# KiCad board RadCheck-SDRAM.kicad_pcb (continued)
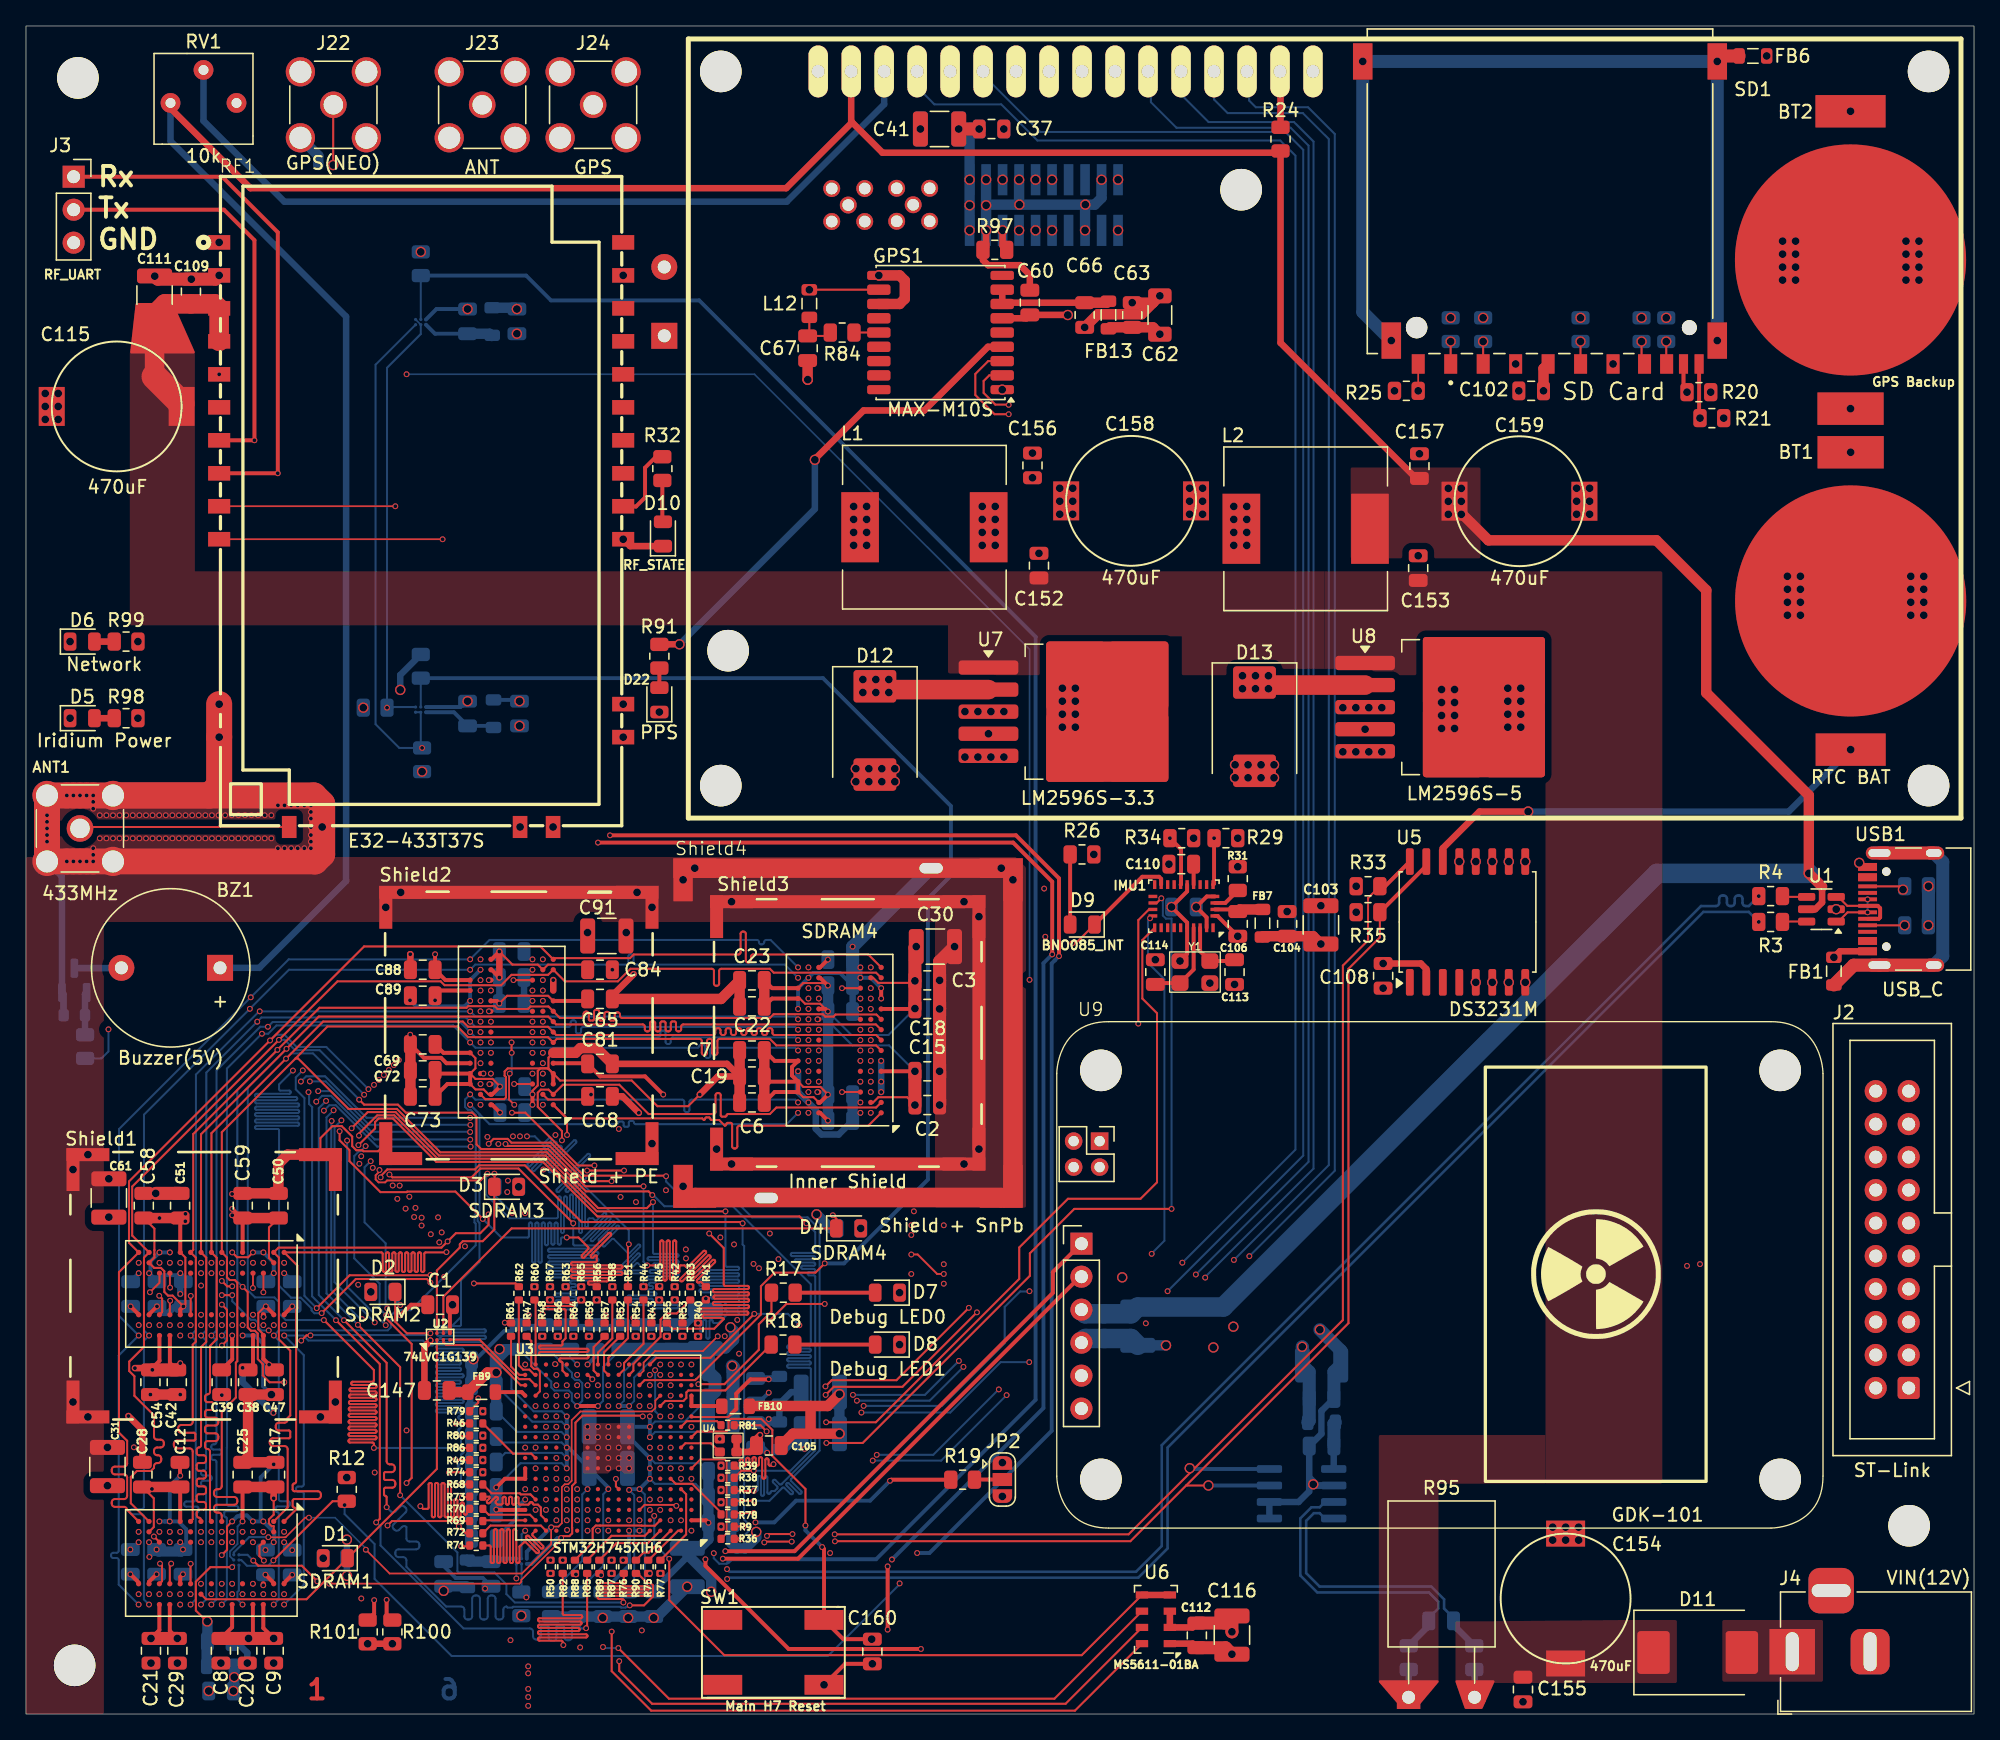
[diagram p0: board, top side]
## Routing (per net, layer and track width the routed paths; a pad name or vN(x,y) marks a point on that pad's centre or on a via; arc(x,y) is an arc through that point) (continued)
  In1.Cu w0.129: 11.5,22.39 11.5,20.34 arc(11.45,20.21) 11.33,20.16 arc(11.2,20.11) 11.15,19.99 11.15,19.74 arc(11.2,19.61) 11.33,19.56 11.6,19.56 arc(11.67,19.53) 11.7,19.46 11.7,19.06 arc(11.67,18.99) 11.6,18.96 11.29,18.96 arc(11.13,18.9) 11.07,18.75 11.07,18.55 arc(11.13,18.4) 11.29,18.34 arc(11.44,18.27) 11.5,18.12 11.5,18 arc(11.57,17.83) 11.74,17.76 12.37,17.76 arc(12.54,17.69) 12.61,17.52 12.61,17.4 arc(12.54,17.23) 12.37,17.16 11.37,17.16 arc(11.28,17.12) 11.24,17.03 11.24,16.69 arc(11.28,16.6) 11.37,16.56 12.37,16.56 arc(12.54,16.49) 12.61,16.32 12.61,16.2 arc(12.54,16.03) 12.37,15.96 11.39,15.96 arc(11.31,15.93) 11.28,15.85 11.28,15.35 arc(11.31,15.27) 11.39,15.23 arc(11.47,15.2) 11.5,15.12 ; 49.05,54.68 52.59,54.68 arc(52.7,54.63) 52.75,54.52 52.75,53.75 arc(52.79,53.64) 52.91,53.59 52.99,53.59 arc(53.1,53.64) 53.15,53.75 53.15,54.82 arc(53.19,54.92) 53.29,54.96 53.4,54.96 arc(53.5,54.92) 53.55,54.82 53.55,53.75 arc(53.59,53.64) 53.71,53.59 53.79,53.59 arc(53.9,53.64) 53.95,53.75 53.95,54.52 arc(53.99,54.63) 54.11,54.68
  In3.Cu w0.142: v1(52.61,37.01) 52.61,37.55 44.47,45.69 34.51,45.69 34.36,45.53 34.36,45.51 v1(34.22,45.37)
  Bottom w0.157: v1(21.86,48.72) 23.08,48.72 26.42,45.38 34.21,45.38 v1(34.22,45.37)
SDRAM_D9: length 180.3
  Top w0.142: v1(11.1,32.84) 11.08,32.86 SDRAM2.M3
  Top w0.157: v1(35.17,38.13) 33.07,40.23 29.36,40.23 29.32,40.19 27.3,40.19 24.91,42.58 24.91,43.43 24.15,44.18 v1(24.15,44.88) ; 43.85,33.07 43.37,33.07 arc(43.3,33.1) 43.27,33.17 43.27,33.22 arc(43.3,33.29) 43.37,33.32 44.73,33.32 arc(44.8,33.35) 44.83,33.42 44.83,33.47 arc(44.8,33.54) 44.73,33.57 42.07,33.57 arc(42,33.6) 41.97,33.66 41.97,33.71 arc(42,33.78) 42.07,33.81 45.83,33.81 arc(45.9,33.84) 45.93,33.91 45.93,33.96 arc(45.9,34.03) 45.83,34.06 42.07,34.06 arc(42,34.09) 41.97,34.16 41.97,34.21 arc(42,34.28) 42.07,34.31 45.83,34.31 arc(45.9,34.33) 45.93,34.4 45.93,34.45 arc(45.9,34.52) 45.83,34.55 42.07,34.55 arc(42,34.58) 41.97,34.65 41.97,34.7 arc(42,34.77) 42.07,34.8 43.85,34.8 arc(43.92,34.83) 43.95,34.9 43.95,35.29 arc(43.88,35.32) 43.81,35.29 43.68,35.16 arc(43.61,35.13) 43.54,35.16 43.51,35.2 arc(43.48,35.27) 43.51,35.34 45.03,36.86 arc(45.06,36.93) 45.03,37 45,37.04 arc(44.93,37.06) 44.86,37.04 42.98,35.16 arc(42.91,35.13) 42.84,35.16 42.81,35.19 arc(42.78,35.26) 42.81,35.33 43.29,35.81 arc(43.32,35.88) 43.29,35.95 42.54,36.7 v1(41.64,36.7)
  In2.Cu w0.09: 10.71,19.82 10.71,16.36 arc(10.76,16.25) 10.87,16.2 11.96,16.2 arc(12.08,16.15) 12.12,16.04 12.12,15.96 arc(12.08,15.85) 11.96,15.8 9.46,15.8 arc(9.35,15.75) 9.3,15.64 9.3,15.56 arc(9.35,15.45) 9.46,15.4 10.55,15.4 arc(10.67,15.35) 10.71,15.24
  In2.Cu w0.127: v1(11.07,13.23) 10.68,13.63 10.68,15.21 10.71,15.24 ; 53.09,55.48 63.87,55.48 v1(64.25,55.1) ; 47.16,55.48 40.9,55.48 40.76,55.34 39.38,55.34 v1(39,55.72) 37.98,55.72 37.6,56.1 34.84,56.1 33.82,55.08 33.82,54.72 34.05,54.49 33.83,54.27 33.7,54.27 24.76,45.33 24.75,45.33 24.53,45.11 24.53,45.1 24.31,44.88 v1(24.15,44.88) 15.63,36.36 15.05,36.36 13.73,35.04 13.64,35.13 13.32,35.13 12.88,34.68 12.88,33.25 11.5,33.25 v1(11.1,32.84) 10.67,32.42 10.67,19.86 10.71,19.82
  In2.Cu w0.129: 53.09,55.48 51.68,55.48 arc(51.57,55.53) 51.52,55.64 51.52,55.78 arc(51.48,55.9) 51.36,55.94 51.28,55.94 arc(51.17,55.9) 51.12,55.78 51.12,55.36 arc(51.09,55.27) 51,55.23 50.85,55.23 arc(50.76,55.27) 50.72,55.36 50.72,55.78 arc(50.68,55.9) 50.56,55.94 50.48,55.94 arc(50.37,55.9) 50.32,55.78 50.32,55.64 arc(50.28,55.53) 50.16,55.48 48.28,55.48 arc(48.17,55.43) 48.12,55.32 48.12,54.1 arc(48.08,53.98) 47.96,53.94 47.88,53.94 arc(47.77,53.98) 47.72,54.1 47.72,54.2 arc(47.68,54.31) 47.56,54.36 45.97,54.36 arc(45.86,54.41) 45.81,54.52 45.81,54.6 arc(45.86,54.71) 45.97,54.76 49.48,54.76 arc(49.59,54.81) 49.64,54.92 49.64,55 arc(49.59,55.11) 49.48,55.16 47.88,55.16 arc(47.77,55.21) 47.72,55.32 47.72,55.58 arc(47.69,55.65) 47.62,55.68 47.36,55.68 arc(47.29,55.65) 47.26,55.58 arc(47.23,55.51) 47.16,55.48
  Bottom w0.157: v1(35.17,38.13) 36.6,36.7 38.63,36.7 arc(38.7,36.73) 38.73,36.8 38.73,37.75 arc(38.76,37.82) 38.82,37.85 38.87,37.85 arc(38.94,37.82) 38.97,37.75 38.97,34.85 arc(39,34.78) 39.07,34.75 39.12,34.75 arc(39.19,34.78) 39.22,34.85 39.22,37.75 arc(39.25,37.82) 39.32,37.85 39.37,37.85 arc(39.44,37.82) 39.47,37.75 39.47,34.85 arc(39.49,34.78) 39.56,34.75 39.61,34.75 arc(39.68,34.78) 39.71,34.85 39.71,37.75 arc(39.74,37.82) 39.81,37.85 39.86,37.85 arc(39.93,37.82) 39.96,37.75 39.96,36.2 arc(39.99,36.13) 40.06,36.1 40.11,36.1 arc(40.18,36.13) 40.21,36.2 40.21,37.75 arc(40.23,37.82) 40.3,37.85 40.35,37.85 arc(40.42,37.82) 40.45,37.75 40.45,36.25 arc(40.48,36.18) 40.55,36.15 40.6,36.15 arc(40.67,36.18) 40.7,36.25 40.7,37.75 arc(40.73,37.82) 40.8,37.85 40.85,37.85 arc(40.92,37.82) 40.94,37.75 40.94,36.25 arc(40.97,36.18) 41.04,36.15 41.09,36.15 arc(41.16,36.18) 41.19,36.25 41.19,36.6 arc(41.22,36.67) 41.29,36.7 v1(41.64,36.7)
SDRAM_D10: length 172.9
  Top w0.157: v1(44.64,30.7) 44.64,30.2
  In1.Cu w0.127: v1(65.05,55.1) 64.67,55.48 49.99,55.48 ; 10.69,26.41 10.69,34.36 v1(11.08,34.75) 11.08,35.17 11.24,35.17 11.46,35.39 11.46,39 v1(21.17,48.71) 28.56,56.1 39.42,56.1 v1(39.8,55.72) 40.18,55.34 40.76,55.34 40.9,55.48 43.93,55.48 ; v1(11.07,14.03) 10.69,14.41 10.69,19.6
  In1.Cu w0.129: 10.69,26.41 10.69,21.88 arc(10.62,21.71) 10.45,21.64 9.83,21.64 arc(9.66,21.57) 9.59,21.4 9.59,21.28 arc(9.66,21.11) 9.83,21.04 10.96,21.04 arc(11.13,20.97) 11.2,20.8 11.2,20.68 arc(11.13,20.51) 10.96,20.44 9.83,20.44 arc(9.66,20.37) 9.59,20.2 9.59,20.08 arc(9.66,19.91) 9.83,19.84 10.45,19.84 arc(10.62,19.77) 10.69,19.6 ; 43.93,55.48 47.67,55.48 arc(47.78,55.43) 47.83,55.32 47.83,55.15 arc(47.88,55.04) 47.99,54.99 48.07,54.99 arc(48.18,55.04) 48.23,55.15 48.23,55.86 arc(48.28,55.97) 48.39,56.02 48.47,56.02 arc(48.58,55.97) 48.63,55.86 48.63,55.15 arc(48.68,55.04) 48.79,54.99 48.87,54.99 arc(48.98,55.04) 49.03,55.15 49.03,55.86 arc(49.08,55.97) 49.19,56.02 49.27,56.02 arc(49.38,55.97) 49.43,55.86 49.43,55.15 arc(49.48,55.04) 49.59,54.99 49.67,54.99 arc(49.78,55.04) 49.83,55.15 49.83,55.32 arc(49.88,55.43) 49.99,55.48
  In3.Cu w0.142: v1(34.2,45.92) 44.37,45.92 arc(44.43,45.95) 44.46,46.01 44.46,47.4 arc(44.49,47.46) 44.56,47.49 44.6,47.49 arc(44.67,47.46) 44.69,47.4 44.69,46.01 arc(44.72,45.95) 44.79,45.92 45.12,45.58 arc(45.19,45.56) 45.25,45.58 46.23,46.56 arc(46.3,46.59) 46.36,46.56 46.4,46.53 arc(46.42,46.46) 46.4,46.4 45.42,45.42 arc(45.39,45.35) 45.42,45.29 v1(45.65,45.06)
  In4.Cu w0.129: v1(45.65,45.06) 45.42,44.82 arc(45.36,44.8) 45.3,44.82 44.47,45.65 arc(44.4,45.68) 44.34,45.65 44.31,45.62 arc(44.29,45.56) 44.31,45.5 45.85,43.96 arc(45.87,43.9) 45.85,43.84 45.82,43.81 arc(45.76,43.78) 45.69,43.81 43.84,45.66 arc(43.78,45.69) 43.71,45.66 43.68,45.63 arc(43.66,45.57) 43.68,45.51 44.83,44.36 arc(44.86,44.3) 44.83,44.23 44.64,44.04 44.64,43.76 arc(44.62,43.69) 44.55,43.67 42.73,43.67 arc(42.67,43.64) 42.64,43.58 42.64,43.54 arc(42.67,43.47) 42.73,43.45 46.55,43.45 arc(46.62,43.42) 46.64,43.36 46.64,43.32 arc(46.62,43.26) 46.55,43.23 42.73,43.23 arc(42.67,43.2) 42.64,43.14 42.64,43.1 arc(42.67,43.04) 42.73,43.01 46.55,43.01 arc(46.62,42.98) 46.64,42.92 46.64,42.88 arc(46.62,42.82) 46.55,42.79 44.03,42.79 arc(43.97,42.77) 43.94,42.7 43.94,42.66 arc(43.97,42.6) 44.03,42.57 46.55,42.57 arc(46.62,42.55) 46.64,42.48 46.64,42.44 arc(46.62,42.38) 46.55,42.35 44.28,42.35 arc(44.22,42.33) 44.19,42.26 44.19,42.22 arc(44.22,42.16) 44.28,42.13 44.55,42.13 arc(44.62,42.11) 44.64,42.05 v1(44.64,30.7)
  Bottom w0.157: v1(34.2,45.92) 26.22,45.92 23.03,49.11 21.57,49.11 v1(21.17,48.71)
SDRAM_D11: length 175.5
  Top w0.157: SDRAM1.P1 8.07,16.23 8.07,18.25 8.54,18.72 9.62,18.72 9.86,18.96 9.86,19.09 arc(9.93,19.26) 10.1,19.33 10.17,19.33 arc(10.34,19.4) 10.41,19.57 10.41,19.69 arc(10.34,19.86) 10.17,19.93 10.1,19.93 arc(9.93,20) 9.86,20.17 9.86,20.29 arc(9.93,20.46) 10.1,20.53 10.37,20.53 arc(10.54,20.6) 10.61,20.77 10.61,20.89 arc(10.54,21.06) 10.37,21.13 10.1,21.13 arc(9.93,21.2) 9.86,21.37 9.86,23 8.35,24.51 8.35,26.01 7.95,26.41 7.95,27.14 9.09,28.28 9.09,35.16 SDRAM2.P1 8.18,36.85 8.18,40.62 v1(19.48,51.92) 23.99,56.43 31.93,56.43 32.23,56.13 36.59,56.13 37.39,56.93 40.21,56.93 SDRAM3.P1 41.49,56.43 45.58,56.43 46.55,57.39 52.81,57.39 arc(52.93,57.35) 52.97,57.23 52.97,56.25 arc(53.02,56.13) 53.13,56.09 53.21,56.09 arc(53.33,56.13) 53.37,56.25 53.37,57.23 arc(53.42,57.35) 53.53,57.39 57.28,57.39 57.58,57.09 65.46,57.09 SDRAM4.P1 ; v1(36.92,43.9) 37.07,43.75 40.31,43.75 43.03,41.04 v1(45.09,41.04)
  In1.Cu w0.127: v1(36.92,43.9) 36.71,43.69 arc(36.69,43.63) 36.71,43.57 37.44,42.84 arc(37.47,42.78) 37.44,42.72 37.41,42.69 arc(37.35,42.66) 37.29,42.69 36.56,43.41 arc(36.5,43.44) 36.44,43.41 36.41,43.38 arc(36.38,43.32) 36.41,43.26 37.13,42.54 arc(37.16,42.47) 37.13,42.41 37.1,42.38 arc(37.04,42.36) 36.98,42.38 36.26,43.11 arc(36.19,43.13) 36.13,43.11 35.9,42.88 35.64,42.88 arc(35.58,42.85) 35.55,42.79 35.55,42.12 arc(35.53,42.06) 35.46,42.03 35.42,42.03 arc(35.36,42.06) 35.33,42.12 35.33,42.79 arc(35.31,42.85) 35.25,42.88 35.2,42.88 arc(35.14,42.85) 35.12,42.79 35.12,40.97 arc(35.09,40.91) 35.03,40.88 34.99,40.88 arc(34.93,40.91) 34.9,40.97 34.9,42.79 arc(34.88,42.85) 34.82,42.88 34.77,42.88 arc(34.71,42.85) 34.69,42.79 34.69,40.97 arc(34.66,40.91) 34.6,40.88 34.56,40.88 arc(34.49,40.91) 34.47,40.97 34.47,42.79 arc(34.44,42.85) 34.38,42.88 34.34,42.88 arc(34.28,42.85) 34.25,42.79 34.25,40.97 arc(34.23,40.91) 34.17,40.88 34.12,40.88 arc(34.06,40.91) 34.04,40.97 34.04,42.79 arc(34.01,42.85) 33.95,42.88 33.65,42.88 arc(33.59,42.85) 33.57,42.79 33.57,41.25 arc(33.54,41.19) 33.48,41.16 33.44,41.16 arc(33.37,41.19) 33.35,41.25 33.35,42.79 arc(33.32,42.85) 33.26,42.88 33.22,42.88 arc(33.16,42.85) 33.13,42.79 33.13,41.25 arc(33.11,41.19) 33.05,41.16 33,41.16 arc(32.94,41.19) 32.92,41.25 32.92,42.79 arc(32.89,42.85) 32.83,42.88 32.79,42.88 arc(32.72,42.85) 32.7,42.79 32.7,41.25 arc(32.67,41.19) 32.61,41.16 32.57,41.16 arc(32.51,41.19) 32.48,41.25 32.48,42.79 arc(32.46,42.85) 32.4,42.88 32.35,42.88 arc(32.29,42.85) 32.27,42.79 32.27,41.25 arc(32.24,41.19) 32.18,41.16 32.14,41.16 arc(32.07,41.19) 32.05,41.25 32.05,42.79 arc(32.02,42.85) 31.96,42.88 30.85,42.88 v1(26.04,47.69)
  In4.Cu w0.129: v1(45.09,41.04) 45.09,40.58 arc(45.12,40.52) 45.18,40.49 45.38,40.49 arc(45.44,40.46) 45.46,40.4 45.46,40.36 arc(45.44,40.3) 45.38,40.27 44.98,40.27 arc(44.92,40.24) 44.89,40.18 44.89,40.14 arc(44.92,40.08) 44.98,40.05 45.24,40.05 arc(45.3,40.03) 45.33,39.96 45.33,39.92 arc(45.3,39.86) 45.24,39.83 44.98,39.83 arc(44.92,39.81) 44.89,39.74 44.89,39.7 arc(44.92,39.64) 44.98,39.61 45.35,39.61 arc(45.42,39.59) 45.44,39.52 45.44,39.48 arc(45.42,39.42) 45.35,39.39 44.98,39.39 arc(44.92,39.37) 44.89,39.31 44.89,39.26 arc(44.92,39.2) 44.98,39.17 45,39.17 arc(45.06,39.15) 45.09,39.09 45.09,39.04 arc(45.06,38.98) 45,38.95 44.98,38.95 arc(44.92,38.93) 44.89,38.87 44.89,38.82 arc(44.92,38.76) 44.98,38.73 45,38.73 arc(45.06,38.71) 45.09,38.65 45.09,38.6 arc(45.06,38.54) 45,38.52 44.98,38.52 arc(44.92,38.49) 44.89,38.43 44.89,38.38 arc(44.92,38.32) 44.98,38.3 45,38.3 arc(45.06,38.27) 45.09,38.21 45.09,38.16 arc(45.06,38.1) 45,38.08 44.98,38.08 arc(44.92,38.05) 44.89,37.99 44.89,37.95 arc(44.92,37.88) 44.98,37.86 45,37.86 arc(45.06,37.83) 45.09,37.77 45.09,37.73 arc(45.06,37.66) 45,37.64 44.98,37.64 arc(44.92,37.61) 44.89,37.55 44.89,37.51 arc(44.92,37.44) 44.98,37.42 45,37.42 arc(45.06,37.39) 45.09,37.33 45.09,37.29 arc(45.06,37.23) 45,37.2 44.98,37.2 arc(44.92,37.17) 44.89,37.11 44.89,37.07 arc(44.92,37.01) 44.98,36.98 45,36.98 arc(45.06,36.95) 45.09,36.89 45.09,36.85 arc(45.06,36.79) 45,36.76 44.98,36.76 arc(44.92,36.74) 44.89,36.67 44.89,36.63 arc(44.92,36.57) 44.98,36.54 45,36.54 arc(45.06,36.52) 45.09,36.45 45.09,36.41 arc(45.06,36.35) 45,36.32 44.98,36.32 arc(44.92,36.3) 44.89,36.23 44.89,36.19 arc(44.92,36.13) 44.98,36.1 45,36.1 arc(45.06,36.08) 45.09,36.02 45.09,35.97 arc(45.06,35.91) 45,35.88 44.98,35.88 arc(44.92,35.86) 44.89,35.8 44.89,35.75 arc(44.92,35.69) 44.98,35.66 45,35.66 arc(45.06,35.64) 45.09,35.58 45.09,35.53 arc(45.06,35.47) 45,35.45 44.98,35.45 arc(44.92,35.42) 44.89,35.36 44.89,35.31 arc(44.92,35.25) 44.98,35.23 45,35.23 arc(45.06,35.2) 45.09,35.14 45.09,35.09 arc(45.06,35.03) 45,35.01 44.98,35.01 arc(44.92,34.98) 44.89,34.92 44.89,34.88 arc(44.92,34.81) 44.98,34.79 45,34.79 arc(45.06,34.76) 45.09,34.7 45.09,34.66 arc(45.06,34.59) 45,34.57 44.98,34.57 arc(44.92,34.54) 44.89,34.48 44.89,34.44 arc(44.92,34.37) 44.98,34.35 45,34.35 arc(45.06,34.32) 45.09,34.26 45.09,34.22 arc(45.06,34.16) 45,34.13 44.98,34.13 arc(44.92,34.1) 44.89,34.04 44.89,34 arc(44.92,33.94) 44.98,33.91 45,33.91 arc(45.06,33.88) 45.09,33.82 45.09,33.78 arc(45.06,33.72) 45,33.69 44.98,33.69 arc(44.92,33.67) 44.89,33.6 44.89,33.56 arc(44.92,33.5) 44.98,33.47 45,33.47 arc(45.06,33.45) 45.09,33.38 45.09,32.97 v1(45.15,32.91)
  Bottom w0.157: v1(19.48,51.92) 19.93,51.92 20.71,51.14 20.7,51.13 20.7,51.12 22.61,51.12 v1(26.04,47.69)
SDRAM_D12: length 173.7
  Top w0.157: v1(31.15,33.81) 31.13,33.79 24.92,33.79 v1(22.39,31.26) ; v1(43.37,30.81) 43.37,30.13
  In1.Cu w0.127: 9.1,26.62 9.1,23.9 ; 9.1,15.58 9.1,15.49 ; 9.1,15.82 9.1,16.26 ; 9.1,28.11 9.1,28.18 ; v1(65.05,55.9) 64.67,56.28 62.31,56.28 62.11,56.48 61.24,56.48 61.08,56.32 53.01,56.32 ; 9.1,28.6 9.1,33.03 10.28,34.21 v1(10.28,34.75) 10.66,35.13 10.66,38.91 v1(21.32,49.56) 28.68,56.93 36.13,56.93 36.3,57.1 38.69,57.1 39.27,56.52 v1(39.8,56.52) 40.18,56.14 40.76,56.14 40.94,56.32 47.36,56.32 ; 9.28,15.02 v1(10.27,14.03)
  In1.Cu w0.129: 9.1,15.49 9.1,15.21 9.28,15.02 ; 53.01,56.32 52.03,56.32 arc(51.91,56.27) 51.87,56.16 51.87,56.02 arc(51.82,55.91) 51.71,55.86 51.63,55.86 arc(51.51,55.91) 51.47,56.02 51.47,57.57 arc(51.42,57.68) 51.31,57.73 51.23,57.73 arc(51.11,57.68) 51.07,57.57 51.07,56.02 arc(51.02,55.91) 50.91,55.86 50.83,55.86 arc(50.71,55.91) 50.67,56.02 50.67,56.16 arc(50.62,56.27) 50.51,56.32 47.36,56.32 ; 9.1,16.26 9.1,17.03 arc(9.03,17.2) 8.86,17.27 8.14,17.27 arc(7.97,17.34) 7.9,17.51 7.9,17.63 arc(7.97,17.8) 8.14,17.87 10.21,17.87 arc(10.38,17.94) 10.45,18.11 10.45,18.23 arc(10.38,18.4) 10.21,18.47 8.14,18.47 arc(7.97,18.54) 7.9,18.71 7.9,18.83 arc(7.97,19) 8.14,19.07 9.51,19.07 arc(9.68,19.14) 9.75,19.31 9.75,19.43 arc(9.68,19.6) 9.51,19.67 8.69,19.67 arc(8.52,19.74) 8.45,19.91 8.45,20.03 arc(8.52,20.2) 8.69,20.27 9.2,20.27 arc(9.27,20.3) 9.3,20.37 9.3,20.77 arc(9.27,20.84) 9.2,20.87 8.74,20.87 arc(8.57,20.94) 8.5,21.11 8.5,21.23 arc(8.57,21.4) 8.74,21.47 9.2,21.47 arc(9.27,21.5) 9.3,21.57 9.3,21.97 arc(9.27,22.04) 9.2,22.07 arc(9.13,22.1) 9.1,22.17 9.1,22.57 arc(9.17,22.74) 9.34,22.81 10.21,22.81 arc(10.38,22.88) 10.45,23.05 10.45,23.17 arc(10.38,23.34) 10.21,23.41 9.34,23.41 arc(9.17,23.48) 9.1,23.65 9.1,23.9 ; 9.1,28.6 9.1,28.18 ; 9.1,26.62 9.1,27.03 arc(9.17,27.2) 9.34,27.27 10.21,27.27 arc(10.38,27.34) 10.45,27.51 10.45,27.63 arc(10.38,27.8) 10.21,27.87 9.34,27.87 arc(9.17,27.94) 9.1,28.11 ; 9.1,15.58 9.1,15.82
  In4.Cu w0.129: v1(31.15,33.81) 31.6,34.26 33.93,34.26 34.32,33.87 arc(34.38,33.85) 34.44,33.87 34.65,34.08 arc(34.71,34.11) 34.78,34.08 34.81,34.05 arc(34.83,33.99) 34.81,33.93 34.6,33.72 arc(34.57,33.65) 34.6,33.59 34.63,33.56 arc(34.69,33.54) 34.75,33.56 34.77,33.58 arc(34.83,33.6) 34.89,33.58 34.93,33.55 arc(34.95,33.49) 34.93,33.42 34.91,33.41 arc(34.88,33.34) 34.91,33.28 34.94,33.25 arc(34.96,33.19) 34.94,33.13 34.9,33.08 arc(34.87,33.02) 34.9,32.96 34.93,32.93 arc(34.99,32.9) 35.05,32.93 35.09,32.97 arc(35.16,33) 35.22,32.97 35.25,32.94 arc(35.27,32.88) 35.25,32.82 34.96,32.53 arc(34.93,32.47) 34.96,32.4 34.99,32.37 arc(35.05,32.35) 35.11,32.37 35.4,32.66 arc(35.47,32.69) 35.53,32.66 35.56,32.63 arc(35.58,32.57) 35.56,32.51 35.52,32.46 arc(35.49,32.4) 35.52,32.34 35.55,32.31 arc(35.61,32.28) 35.67,32.31 35.71,32.35 arc(35.78,32.38) 35.84,32.35 36.25,31.94 arc(36.28,31.88) 36.25,31.82 36.17,31.74 arc(36.15,31.68) 36.17,31.61 36.2,31.58 arc(36.27,31.56) 36.33,31.58 36.41,31.66 arc(36.47,31.69) 36.53,31.66 36.56,31.63 arc(36.59,31.57) 36.56,31.51 36.16,31.11 arc(36.14,31.05) 36.16,30.99 36.2,30.95 arc(36.26,30.93) 36.32,30.95 36.72,31.35 arc(36.78,31.38) 36.84,31.35 36.87,31.32 arc(36.9,31.26) 36.87,31.2 36.44,30.76 arc(36.41,30.7) 36.44,30.64 36.47,30.61 arc(36.53,30.58) 36.59,30.61 37.03,31.04 arc(37.09,31.07) 37.15,31.04 37.18,31.01 arc(37.21,30.95) 37.18,30.89 37,30.7 arc(36.97,30.64) 37,30.58 37.03,30.55 arc(37.09,30.52) 37.15,30.55 37.34,30.73 arc(37.4,30.76) 37.46,30.73 37.49,30.7 arc(37.52,30.64) 37.49,30.58 37.27,30.36 arc(37.25,30.29) 37.27,30.23 37.3,30.2 arc(37.36,30.18) 37.43,30.2 37.65,30.42 arc(37.71,30.45) 37.77,30.42 37.8,30.39 arc(37.83,30.33) 37.8,30.27 37.55,30.01 arc(37.52,29.95) 37.55,29.89 37.58,29.86 arc(37.64,29.83) 37.7,29.86 37.96,30.11 arc(38.02,30.14) 38.08,30.11 38.46,30.11 arc(38.52,30.08) 38.54,30.02 38.54,29.91 arc(38.57,29.85) 38.63,29.82 38.67,29.82 arc(38.74,29.85) 38.76,29.91 38.76,30.22 arc(38.79,30.28) 38.85,30.31 38.89,30.31 arc(38.96,30.28) 38.98,30.22 38.98,29.91 arc(39.01,29.85) 39.07,29.82 39.11,29.82 arc(39.18,29.85) 39.2,29.91 39.2,30.61 arc(39.23,30.67) 39.29,30.7 39.33,30.7 arc(39.39,30.67) 39.42,30.61 39.42,29.91 arc(39.45,29.85) 39.51,29.82 39.55,29.82 arc(39.61,29.85) 39.64,29.91 39.64,30.31 arc(39.67,30.37) 39.73,30.4 39.77,30.4 arc(39.83,30.37) 39.86,30.31 39.86,29.91 arc(39.88,29.85) 39.95,29.82 39.99,29.82 arc(40.05,29.85) 40.08,29.91 40.08,30.51 arc(40.1,30.57) 40.17,30.6 40.21,30.6 arc(40.27,30.57) 40.3,30.51 40.3,29.91 arc(40.32,29.85) 40.39,29.82 40.43,29.82 arc(40.49,29.85) 40.52,29.91 40.52,30.02 arc(40.54,30.08) 40.6,30.11 40.65,30.11 arc(40.71,30.08) 40.74,30.02 40.74,29.91 arc(40.76,29.85) 40.82,29.82 40.87,29.82 arc(40.93,29.85) 40.96,29.91 40.96,30.02 arc(40.98,30.08) 41.04,30.11 41.09,30.11 arc(41.15,30.08) 41.17,30.02 41.17,29.91 arc(41.2,29.85) 41.26,29.82 41.31,29.82 arc(41.37,29.85) 41.39,29.91 41.39,32.01 arc(41.42,32.07) 41.48,32.1 41.53,32.1 arc(41.59,32.07) 41.61,32.01 41.61,29.91 arc(41.64,29.85) 41.7,29.82 41.74,29.82 arc(41.81,29.85) 41.83,29.91 41.83,30.31 arc(41.86,30.37) 41.92,30.4 41.96,30.4 arc(42.03,30.37) 42.05,30.31 42.05,30.2 arc(42.08,30.14) 42.14,30.11 42.68,30.11 42.75,30.18 arc(42.81,30.21) 42.87,30.18 43.2,29.85 arc(43.26,29.83) 43.32,29.85 43.35,29.89 arc(43.38,29.95) 43.35,30.01 42.58,30.79 arc(42.55,30.85) 42.58,30.91 42.61,30.94 arc(42.67,30.97) 42.73,30.94 43.06,30.61 arc(43.12,30.59) 43.18,30.61 v1(43.37,30.81)
  Bottom w0.157: v1(22.39,31.26) 21.44,32.2 21.44,47.44 20.78,48.1 20.78,49.03 v1(21.32,49.56)
SDRAM_D13: length 178.4
  Top w0.157: SDRAM1.R1 7.79,15.71 arc(7.72,15.88) 7.55,15.95 6.84,15.95 arc(6.67,16.03) 6.6,16.19 6.6,16.31 arc(6.67,16.48) 6.84,16.55 7.55,16.55 arc(7.72,16.63) 7.79,16.79 7.79,18.21 arc(7.72,18.38) 7.55,18.45 6.84,18.45 arc(6.67,18.53) 6.6,18.69 6.6,18.81 arc(6.67,18.98) 6.84,19.05 7.55,19.05 arc(7.72,19.13) 7.79,19.29 7.79,21.04 7.16,21.67 7.16,34.03 SDRAM2.R1 7.93,36.3 7.93,41.01 v1(18.79,51.88) 26.03,59.11 39.61,59.11 SDRAM3.R1 40.69,58.21 46.52,58.21 46.8,58.49 54.87,58.49 arc(54.98,58.54) 55.03,58.65 55.03,60.1 arc(55.07,60.21) 55.19,60.26 55.27,60.26 arc(55.38,60.21) 55.43,60.1 55.43,58.04 arc(55.47,57.93) 55.59,57.88 55.67,57.88 arc(55.78,57.93) 55.83,58.04 55.83,58.33 arc(55.87,58.45) 55.99,58.49 64.86,58.49 SDRAM4.R1
  In1.Cu w0.127: v1(36.37,43.9) 35.57,43.1 31.39,43.1 v1(26.37,48.12)
  In4.Cu w0.129: v1(39.15,32.91) 38.92,33.14 38.92,35.19 arc(38.89,35.25) 38.83,35.27 37.42,35.27 arc(37.36,35.3) 37.33,35.36 37.33,35.41 arc(37.36,35.47) 37.42,35.49 38.83,35.49 arc(38.89,35.52) 38.92,35.58 38.92,35.62 arc(38.89,35.69) 38.83,35.71 37.42,35.71 arc(37.36,35.74) 37.33,35.8 37.33,35.84 arc(37.36,35.91) 37.42,35.93 38.83,35.93 arc(38.89,35.96) 38.92,36.02 38.92,36.06 arc(38.89,36.13) 38.83,36.15 37.42,36.15 arc(37.36,36.18) 37.33,36.24 37.33,36.28 arc(37.36,36.34) 37.42,36.37 38.83,36.37 arc(38.89,36.4) 38.92,36.46 38.92,36.5 arc(38.89,36.56) 38.83,36.59 37.42,36.59 arc(37.36,36.62) 37.33,36.68 37.33,36.72 arc(37.36,36.78) 37.42,36.81 38.83,36.81 arc(38.89,36.83) 38.92,36.9 38.92,36.94 arc(38.89,37) 38.83,37.03 37.42,37.03 arc(37.36,37.05) 37.33,37.12 37.33,37.16 arc(37.36,37.22) 37.42,37.25 38.83,37.25 arc(38.89,37.27) 38.92,37.34 38.92,37.38 arc(38.89,37.44) 38.83,37.47 37.42,37.47 arc(37.36,37.49) 37.33,37.55 37.33,37.6 arc(37.36,37.66) 37.42,37.69 38.83,37.69 arc(38.89,37.71) 38.92,37.77 38.92,37.82 arc(38.89,37.88) 38.83,37.91 37.42,37.91 arc(37.36,37.93) 37.33,37.99 37.33,38.04 arc(37.36,38.1) 37.42,38.12 39.47,38.12 arc(39.53,38.15) 39.56,38.21 39.56,38.26 arc(39.53,38.32) 39.47,38.34 39.01,38.34 arc(38.95,38.37) 38.92,38.43 38.92,38.48 arc(38.95,38.54) 39.01,38.56 39.47,38.56 arc(39.53,38.59) 39.56,38.65 39.56,38.69 arc(39.53,38.76) 39.47,38.78 38.81,38.78 arc(38.75,38.81) 38.72,38.87 38.72,38.91 arc(38.75,38.98) 38.81,39 39.47,39 arc(39.53,39.03) 39.55,39.09 39.55,39.13 arc(39.53,39.2) 39.47,39.22 38.17,39.22 arc(38.11,39.25) 38.09,39.31 38.09,39.35 arc(38.11,39.41) 38.17,39.44 39.47,39.44 arc(39.53,39.47) 39.55,39.53 39.55,39.57 arc(39.53,39.63) 39.47,39.66 37.77,39.66 arc(37.71,39.69) 37.69,39.75 37.69,39.79 arc(37.71,39.85) 37.77,39.88 39.47,39.88 arc(39.53,39.9) 39.55,39.97 39.55,40.01 arc(39.53,40.07) 39.47,40.1 38.52,40.1 arc(38.46,40.12) 38.44,40.19 38.44,40.23 arc(38.46,40.29) 38.52,40.32 39.47,40.32 arc(39.53,40.34) 39.55,40.41 39.55,40.45 arc(39.53,40.51) 39.47,40.54 38.62,40.54 arc(38.56,40.56) 38.54,40.62 38.54,40.67 arc(38.56,40.73) 38.62,40.76 39.47,40.76 arc(39.53,40.78) 39.55,40.84 39.55,40.89 arc(39.53,40.95) 39.47,40.98 39.01,40.98 arc(38.95,41) 38.92,41.06 38.92,41.35 38.73,41.54 arc(38.67,41.57) 38.61,41.54 38.25,41.18 arc(38.18,41.16) 38.12,41.18 38.09,41.22 arc(38.06,41.28) 38.09,41.34 39.64,42.89 arc(39.67,42.95) 39.64,43.01 39.61,43.05 arc(39.55,43.07) 39.49,43.05 37.65,41.21 arc(37.59,41.19) 37.53,41.21 37.5,41.24 arc(37.47,41.3) 37.5,41.37 38.14,42.01 arc(38.17,42.07) 38.14,42.13 v1(36.37,43.9)
  Bottom w0.157: v1(26.37,48.12) 23.12,51.37 20.84,51.37 19.9,52.31 19.23,52.31 v1(18.79,51.88)
SDRAM_D14: length 178.6
  Top w0.142: SDRAM2.N3 10.28,33.22 v1(9.54,32.48)
  Top w0.157: 10.27,13.25 v1(9.85,13.67) ; v1(62.83,55.9) 62.84,55.9 SDRAM4.N3 ; v1(36.87,30.14) 37.32,30.14 ; SDRAM3.N3 v1(37.53,56.52)
  In2.Cu w0.09: 9.04,19.49 9.04,16.64 arc(9.09,16.53) 9.2,16.48 10,16.48 arc(10.11,16.44) 10.16,16.32 10.16,16.24 arc(10.11,16.13) 10,16.08 7.53,16.08 arc(7.42,16.04) 7.37,15.92 7.37,15.84 arc(7.42,15.73) 7.53,15.68 8.88,15.68 arc(8.99,15.64) 9.04,15.52 9.04,15.44 arc(8.99,15.33) 8.88,15.28 7.67,15.28 arc(7.56,15.24) 7.51,15.12 7.51,15.04 arc(7.56,14.93) 7.67,14.88 8.88,14.88 arc(8.99,14.84) 9.04,14.72
  In2.Cu w0.127: 51.92,56.28 60.37,56.28 60.63,56.54 62.19,56.54 v1(62.83,55.9) ; v1(9.85,13.67) 9.04,14.48 9.04,14.72 ; 46.34,56.28 40.96,56.28 40.82,56.14 37.91,56.14 v1(37.53,56.52) 36.96,57.1 35.67,57.1 35.31,56.74 35.16,56.9 34.84,56.9 33.61,55.66 33.61,54.73 24.6,45.72 v1(24.29,45.72) 15.15,36.58 14.47,36.58 12.66,34.77 12.66,34.09 12.03,33.46 10.53,33.46 v1(9.54,32.48) 9.1,32.04 9.1,19.55 9.04,19.49
  In2.Cu w0.129: 51.92,56.28 47.85,56.28 arc(47.73,56.33) 47.69,56.44 47.69,57.01 arc(47.64,57.12) 47.53,57.17 47.45,57.17 arc(47.33,57.12) 47.29,57.01 47.29,56.18 arc(47.26,56.11) 47.19,56.08 46.99,56.08 arc(46.92,56.11) 46.89,56.18 46.89,56.38 arc(46.86,56.45) 46.79,56.48 46.54,56.48 arc(46.47,56.45) 46.44,56.38 arc(46.41,56.31) 46.34,56.28
  In4.Cu w0.129: v1(26.85,30.16) 27.02,30.32 31.87,30.32 arc(31.93,30.3) 31.96,30.24 31.96,28.49 arc(31.99,28.42) 32.05,28.4 32.09,28.4 arc(32.15,28.42) 32.18,28.49 32.18,31.01 arc(32.21,31.07) 32.27,31.1 32.31,31.1 arc(32.37,31.07) 32.4,31.01 32.4,28.49 arc(32.42,28.42) 32.49,28.4 32.53,28.4 arc(32.59,28.42) 32.62,28.49 32.62,30.76 arc(32.64,30.82) 32.71,30.85 32.75,30.85 arc(32.81,30.82) 32.84,30.76 32.84,28.49 arc(32.86,28.42) 32.92,28.4 32.97,28.4 arc(33.03,28.42) 33.06,28.49 33.06,30.86 arc(33.08,30.92) 33.14,30.95 33.19,30.95 arc(33.25,30.92) 33.28,30.86 33.28,28.49 arc(33.3,28.42) 33.36,28.4 33.41,28.4 arc(33.47,28.42) 33.5,28.49 33.5,32.16 arc(33.52,32.22) 33.58,32.25 33.63,32.25 arc(33.69,32.22) 33.71,32.16 33.71,28.59 arc(33.74,28.52) 33.8,28.5 33.85,28.5 arc(33.91,28.52) 33.93,28.59 33.93,32.16 arc(33.96,32.22) 34.02,32.25 34.07,32.25 arc(34.13,32.22) 34.15,32.16 34.15,28.99 arc(34.18,28.92) 34.24,28.9 34.28,28.9 arc(34.35,28.92) 34.37,28.99 34.37,32.16 arc(34.4,32.22) 34.46,32.25 34.5,32.25 arc(34.57,32.22) 34.59,32.16 34.59,29.44 arc(34.62,29.37) 34.68,29.35 34.72,29.35 arc(34.79,29.37) 34.81,29.44 34.81,32.01 arc(34.84,32.07) 34.9,32.1 34.94,32.1 arc(35,32.07) 35.03,32.01 35.03,29.89 arc(35.06,29.82) 35.12,29.8 35.16,29.8 arc(35.22,29.82) 35.25,29.89 35.25,32.01 arc(35.28,32.07) 35.34,32.1 35.38,32.1 arc(35.44,32.07) 35.47,32.01 35.47,29.99 arc(35.49,29.92) 35.56,29.9 35.6,29.9 arc(35.66,29.92) 35.69,29.99 35.69,31.86 arc(35.71,31.92) 35.78,31.95 35.82,31.95 arc(35.88,31.92) 35.91,31.86 35.91,29.99 arc(35.93,29.92) 36,29.9 36.04,29.9 arc(36.1,29.92) 36.13,29.99 36.13,30.24 arc(36.15,30.3) 36.21,30.32 36.69,30.32 v1(36.87,30.14)
  Bottom w0.157: v1(24.29,45.72) 23.76,45.19 23.76,33.26 v1(26.85,30.16)
